# EAGLE board Mk4 Final a Panel score (EAGLE 9.0.1), part 14 of 24
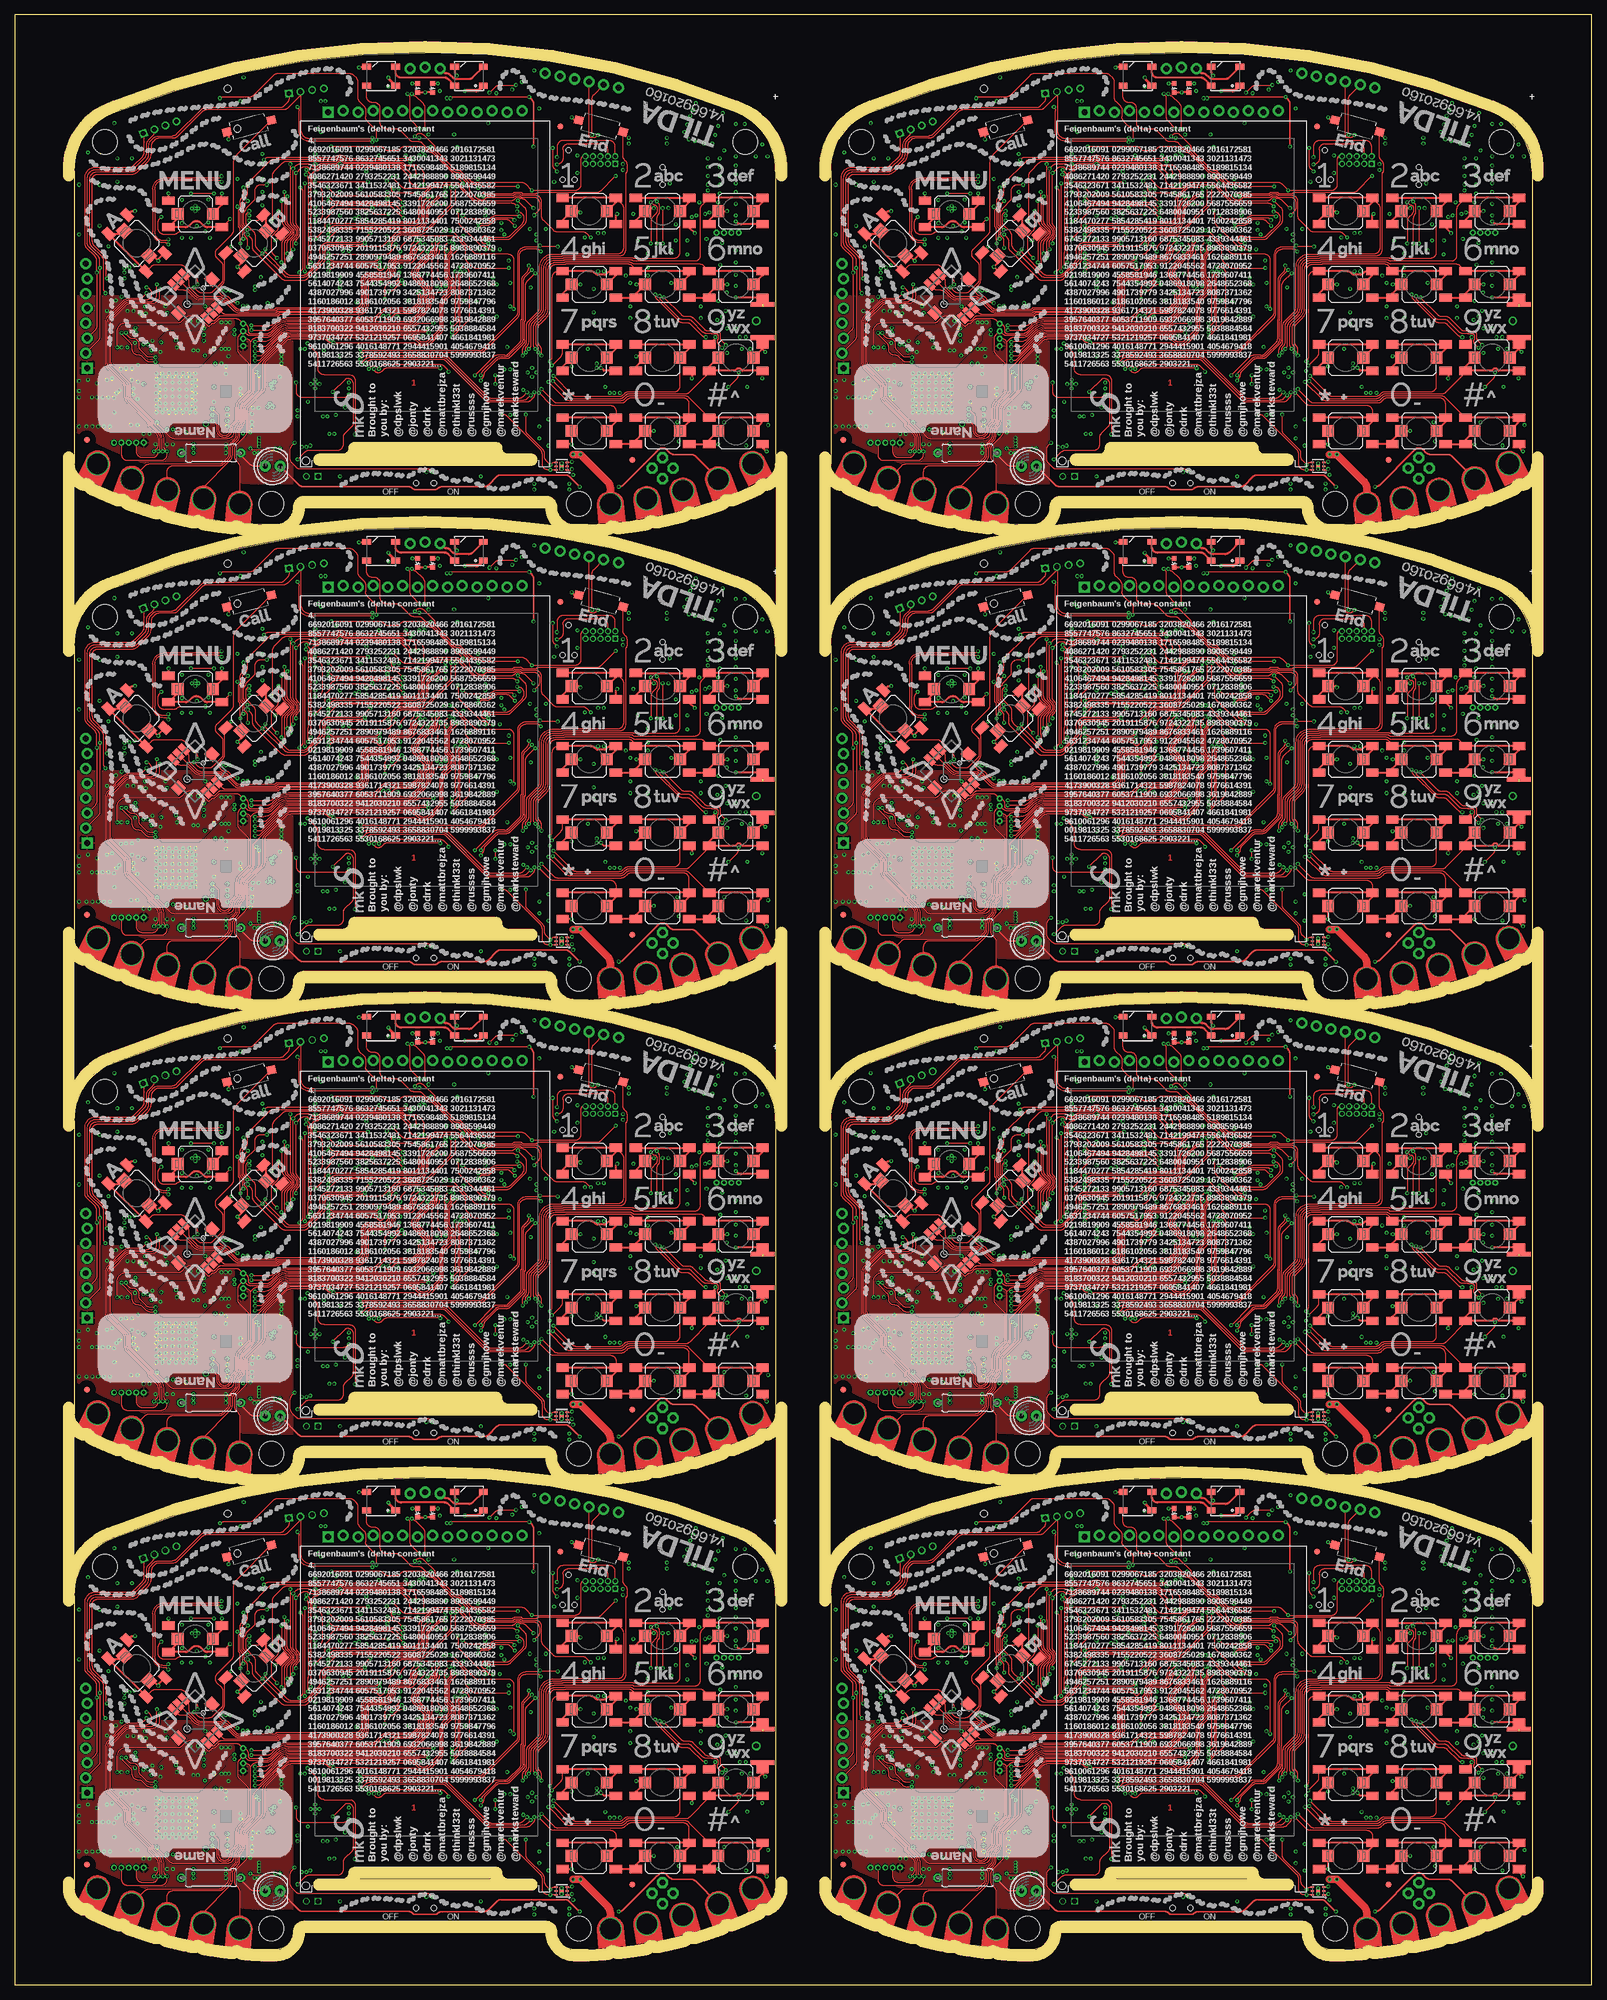
[diagram p0: board, top side]
## Tracks (layer width: path | path; a pad name or v marks a point on that pad's centre or on a via) (continued)
I2C5_EXT_SDA  (via drill 0.3) (continued)
  Bottom 0.2: IC1.120 78.92,56 arc-45 79.28,55.85 79.43,55.7 arc45 79.78,55.56 80.99,55.56 arc-45 81.34,55.41 R23.1 82.2,54.55 arc45 82.56,54.4 82.9,54.4 arc-90 83.4,53.9 83.4,53.21 arc-45 83.11,52.51 82.97,52.38 82.97,47.96 arc45 83.27,47.26 83.56,46.97 arc45 84.26,46.67 85.91,46.67 arc-45 86.62,46.38 92.66,40.34 arc-45 93.1,39.28 93.1,33.37 arc45 93.47,32.49 98.19,27.77 arc45 99.07,27.4 103.49,27.4 arc-45 104.19,27.11 107.56,23.75 arc-45 107.85,23.04 107.85,16.92 arc45 108.14,16.21 J11.4 110.09,15.65 arc-45 110.79,15.36 113.71,12.44 arc-45 PCB.SDA | JP6.7 v15.74,47.99 v15.75,48
  Bottom 0.3: J8.6 J8.2
I2C5_EXT_SDA1  (via drill 0.3)
  Top 0.2: v144.75,48 144.72,48.02 arc-45 144.5,48.57 144.5,51.24 arc45 144.21,51.94 142.49,53.66 arc-45 142.2,54.36 142.2,64.8 arc-90 143.2,65.8 148.88,65.8 arc45 150.11,66.31 151.79,67.99 arc45 152.3,69.22 152.3,70.64 arc-45 152.59,71.34 152.86,71.61 arc-45 153.56,71.9 155.93,71.9 arc45 156.82,72.27 161.01,76.46 arc-45 161.71,76.75 174.84,76.75 arc45 175.54,77.04 177.76,79.26 J18.2 177.76,79.24 177.9,79.1 177.9,73.3 arc90 179.4,71.8 189.8,71.8 v190,72
  3V3@2 0.15: v202.3,56.2 202.3,57.2 197.72,61.77 197.46,61.77 196.97,62.26 196.97,62.52 195.3,64.2 195.3,66.8 194.9,67.2 190.3,67.2 189.7,67.8 189.7,70.7 189.4,71 189.4,71.4 v190,72
  Bottom 0.15: IC20.120 205.92,56 arc-45 205.91,56 arc45 205.74,56.08 arc-45 205.03,56.37 204.72,56.68 arc45 204.01,56.98 203.49,56.98 arc45 202.78,56.68 v202.3,56.2
  Bottom 0.2: IC20.120 207.93,56 arc-45 208.28,55.85 208.43,55.7 arc45 208.78,55.56 209.99,55.56 arc-45 210.34,55.41 R105.1 211.2,54.55 arc45 211.56,54.4 211.9,54.4 arc-90 212.4,53.9 212.4,53.21 arc-45 212.11,52.51 211.97,52.38 211.97,47.96 arc45 212.27,47.26 212.56,46.97 arc45 213.26,46.67 214.91,46.67 arc-45 215.62,46.38 221.66,40.34 arc-45 222.1,39.28 222.1,33.37 arc45 222.47,32.49 227.19,27.77 arc45 228.07,27.4 232.49,27.4 arc-45 233.19,27.11 236.56,23.75 arc-45 236.85,23.04 236.85,16.92 arc45 237.14,16.21 J20.4 239.09,15.65 arc-45 239.79,15.36 242.71,12.44 arc-45 PCB1.SDA | JP17.7 v144.74,47.99 v144.75,48
  Bottom 0.3: J18.6 J18.2
I2C5_EXT_SDA2  (via drill 0.3)
  Top 0.2: v15.75,129 15.73,129.03 arc-45 15.5,129.57 15.5,132.24 arc45 15.21,132.94 13.49,134.66 arc-45 13.2,135.36 13.2,145.8 arc-90 14.2,146.8 19.88,146.8 arc45 21.11,147.31 22.79,148.99 arc45 23.3,150.22 23.3,151.64 arc-45 23.59,152.34 23.86,152.61 arc-45 24.56,152.9 26.93,152.9 arc45 27.82,153.27 32.01,157.46 arc-45 32.71,157.75 45.84,157.75 arc45 46.54,158.04 48.76,160.26 J28.2 48.76,160.24 48.9,160.1 48.9,154.3 arc90 50.4,152.8 60.8,152.8 v61,153
  3V3@2 0.15: v73.3,137.2 73.3,138.2 68.72,142.78 68.46,142.78 67.97,143.26 67.97,143.53 66.3,145.2 66.3,147.8 65.9,148.2 61.3,148.2 60.7,148.8 60.7,151.7 60.4,152 60.4,152.4 v61,153
  Bottom 0.15: IC38.120 76.92,137 arc-45 76.91,137 arc45 76.74,137.07 arc-45 76.03,137.37 75.72,137.68 arc45 75.01,137.97 74.49,137.97 arc45 73.78,137.68 v73.3,137.2
  Bottom 0.2: IC38.120 78.92,137 arc-45 79.28,136.85 79.43,136.7 arc45 79.78,136.56 80.99,136.56 arc-45 81.34,136.41 R183.1 82.2,135.55 arc45 82.56,135.4 82.9,135.4 arc-90 83.4,134.9 83.4,134.21 arc-45 83.11,133.51 82.97,133.38 82.97,128.96 arc45 83.27,128.25 83.56,127.97 arc45 84.26,127.67 85.91,127.67 arc-45 86.62,127.38 92.66,121.34 arc-45 93.1,120.28 93.1,114.37 arc45 93.47,113.49 98.19,108.77 arc45 99.07,108.4 103.49,108.4 arc-45 104.19,108.11 107.56,104.75 arc-45 107.85,104.04 107.85,97.92 arc45 108.14,97.21 J30.4 110.09,96.65 arc-45 110.79,96.36 113.71,93.44 arc-45 PCB2.SDA | JP26.7 v15.74,128.99 v15.75,129
  Bottom 0.3: J28.6 J28.2
I2C5_EXT_SDA3  (via drill 0.3)
  Top 0.2: v144.75,129 144.72,129.03 arc-45 144.5,129.57 144.5,132.24 arc45 144.21,132.94 142.49,134.66 arc-45 142.2,135.36 142.2,145.8 arc-90 143.2,146.8 148.88,146.8 arc45 150.11,147.31 151.79,148.99 arc45 152.3,150.22 152.3,151.64 arc-45 152.59,152.34 152.86,152.61 arc-45 153.56,152.9 155.93,152.9 arc45 156.82,153.27 161.01,157.46 arc-45 161.71,157.75 174.84,157.75 arc45 175.54,158.04 177.76,160.26 J38.2 177.76,160.24 177.9,160.1 177.9,154.3 arc90 179.4,152.8 189.8,152.8 v190,153
  3V3@2 0.15: v202.3,137.2 202.3,138.2 197.72,142.78 197.46,142.78 196.97,143.26 196.97,143.53 195.3,145.2 195.3,147.8 194.9,148.2 190.3,148.2 189.7,148.8 189.7,151.7 189.4,152 189.4,152.4 v190,153
  Bottom 0.15: IC56.120 205.92,137 arc-45 205.91,137 arc45 205.74,137.07 arc-45 205.03,137.37 204.72,137.68 arc45 204.01,137.97 203.49,137.97 arc45 202.78,137.68 v202.3,137.2
  Bottom 0.2: IC56.120 207.93,137 arc-45 208.28,136.85 208.43,136.7 arc45 208.78,136.56 209.99,136.56 arc-45 210.34,136.41 R261.1 211.2,135.55 arc45 211.56,135.4 211.9,135.4 arc-90 212.4,134.9 212.4,134.21 arc-45 212.11,133.51 211.97,133.38 211.97,128.96 arc45 212.27,128.25 212.56,127.97 arc45 213.26,127.67 214.91,127.67 arc-45 215.62,127.38 221.66,121.34 arc-45 222.1,120.28 222.1,114.37 arc45 222.47,113.49 227.19,108.77 arc45 228.07,108.4 232.49,108.4 arc-45 233.19,108.11 236.56,104.75 arc-45 236.85,104.04 236.85,97.92 arc45 237.14,97.21 J40.4 239.09,96.65 arc-45 239.79,96.36 242.71,93.44 arc-45 PCB3.SDA | JP35.7 v144.74,128.99 v144.75,129
  Bottom 0.3: J38.6 J38.2
I2C5_EXT_SDA4  (via drill 0.3)
  Top 0.2: v15.75,210 15.73,210.03 arc-45 15.5,210.57 15.5,213.24 arc45 15.21,213.94 13.49,215.66 arc-45 13.2,216.36 13.2,226.8 arc-90 14.2,227.8 19.88,227.8 arc45 21.11,228.31 22.79,229.99 arc45 23.3,231.22 23.3,232.64 arc-45 23.59,233.34 23.86,233.61 arc-45 24.56,233.9 26.93,233.9 arc45 27.82,234.27 32.01,238.46 arc-45 32.71,238.75 45.84,238.75 arc45 46.54,239.04 48.76,241.26 J48.2 48.76,241.24 48.9,241.1 48.9,235.3 arc90 50.4,233.8 60.8,233.8 v61,234
  3V3@2 0.15: v73.3,218.2 73.3,219.2 68.72,223.78 68.46,223.78 67.97,224.26 67.97,224.53 66.3,226.2 66.3,228.8 65.9,229.2 61.3,229.2 60.7,229.8 60.7,232.7 60.4,233 60.4,233.4 v61,234
  Bottom 0.15: IC74.120 76.92,218 arc-45 76.91,218 arc45 76.74,218.07 arc-45 76.03,218.37 75.72,218.68 arc45 75.01,218.97 74.49,218.97 arc45 73.78,218.68 v73.3,218.2
  Bottom 0.2: IC74.120 78.92,218 arc-45 79.28,217.85 79.43,217.7 arc45 79.78,217.56 80.99,217.56 arc-45 81.34,217.41 R339.1 82.2,216.55 arc45 82.56,216.4 82.9,216.4 arc-90 83.4,215.9 83.4,215.21 arc-45 83.11,214.51 82.97,214.38 82.97,209.96 arc45 83.27,209.25 83.56,208.97 arc45 84.26,208.68 85.91,208.68 arc-45 86.62,208.38 92.66,202.34 arc-45 93.1,201.28 93.1,195.37 arc45 93.47,194.49 98.19,189.77 arc45 99.07,189.4 103.49,189.4 arc-45 104.19,189.11 107.56,185.75 arc-45 107.85,185.04 107.85,178.92 arc45 108.14,178.21 J50.4 110.09,177.65 arc-45 110.79,177.36 113.71,174.44 arc-45 PCB4.SDA | JP44.7 v15.74,209.99 v15.75,210
  Bottom 0.3: J48.6 J48.2
I2C5_EXT_SDA5  (via drill 0.3)
  Top 0.2: v144.75,210 144.72,210.03 arc-45 144.5,210.57 144.5,213.24 arc45 144.21,213.94 142.49,215.66 arc-45 142.2,216.36 142.2,226.8 arc-90 143.2,227.8 148.88,227.8 arc45 150.11,228.31 151.79,229.99 arc45 152.3,231.22 152.3,232.64 arc-45 152.59,233.34 152.86,233.61 arc-45 153.56,233.9 155.93,233.9 arc45 156.82,234.27 161.01,238.46 arc-45 161.71,238.75 174.84,238.75 arc45 175.54,239.04 177.76,241.26 J58.2 177.76,241.24 177.9,241.1 177.9,235.3 arc90 179.4,233.8 189.8,233.8 v190,234
  3V3@2 0.15: v202.3,218.2 202.3,219.2 197.72,223.78 197.46,223.78 196.97,224.26 196.97,224.53 195.3,226.2 195.3,228.8 194.9,229.2 190.3,229.2 189.7,229.8 189.7,232.7 189.4,233 189.4,233.4 v190,234
  Bottom 0.15: IC92.120 205.92,218 arc-45 205.91,218 arc45 205.74,218.07 arc-45 205.03,218.37 204.72,218.68 arc45 204.01,218.97 203.49,218.97 arc45 202.78,218.68 v202.3,218.2
  Bottom 0.2: IC92.120 207.93,218 arc-45 208.28,217.85 208.43,217.7 arc45 208.78,217.56 209.99,217.56 arc-45 210.34,217.41 R417.1 211.2,216.55 arc45 211.56,216.4 211.9,216.4 arc-90 212.4,215.9 212.4,215.21 arc-45 212.11,214.51 211.97,214.38 211.97,209.96 arc45 212.27,209.25 212.56,208.97 arc45 213.26,208.68 214.91,208.68 arc-45 215.62,208.38 221.66,202.34 arc-45 222.1,201.28 222.1,195.37 arc45 222.47,194.49 227.19,189.77 arc45 228.07,189.4 232.49,189.4 arc-45 233.19,189.11 236.56,185.75 arc-45 236.85,185.04 236.85,178.92 arc45 237.14,178.21 J60.4 239.09,177.65 arc-45 239.79,177.36 242.71,174.44 arc-45 PCB5.SDA | JP53.7 v144.74,209.99 v144.75,210
  Bottom 0.3: J58.6 J58.2
I2C5_EXT_SDA6  (via drill 0.3)
  Top 0.2: v15.75,291 15.73,291.02 arc-45 15.5,291.57 15.5,294.24 arc45 15.21,294.94 13.49,296.66 arc-45 13.2,297.36 13.2,307.8 arc-90 14.2,308.8 19.88,308.8 arc45 21.11,309.31 22.79,310.99 arc45 23.3,312.23 23.3,313.64 arc-45 23.59,314.34 23.86,314.61 arc-45 24.56,314.9 26.93,314.9 arc45 27.82,315.27 32.01,319.46 arc-45 32.71,319.75 45.84,319.75 arc45 46.54,320.04 48.76,322.26 J68.2 48.76,322.24 48.9,322.1 48.9,316.3 arc90 50.4,314.8 60.8,314.8 v61,315
  3V3@2 0.15: v73.3,299.2 73.3,300.2 68.72,304.77 68.46,304.77 67.97,305.26 67.97,305.52 66.3,307.2 66.3,309.8 65.9,310.2 61.3,310.2 60.7,310.8 60.7,313.7 60.4,314 60.4,314.4 v61,315
  Bottom 0.15: IC110.120 76.92,299 arc-45 76.91,299 arc45 76.74,299.07 arc-45 76.03,299.37 75.72,299.68 arc45 75.01,299.98 74.49,299.98 arc45 73.78,299.68 v73.3,299.2
  Bottom 0.2: IC110.120 78.92,299 arc-45 79.28,298.85 79.43,298.7 arc45 79.78,298.56 80.99,298.56 arc-45 81.34,298.41 R495.1 82.2,297.55 arc45 82.56,297.4 82.9,297.4 arc-90 83.4,296.9 83.4,296.21 arc-45 83.11,295.51 82.97,295.38 82.97,290.96 arc45 83.27,290.25 83.56,289.97 arc45 84.26,289.68 85.91,289.68 arc-45 86.62,289.38 92.66,283.34 arc-45 93.1,282.28 93.1,276.37 arc45 93.47,275.49 98.19,270.77 arc45 99.07,270.4 103.49,270.4 arc-45 104.19,270.11 107.56,266.75 arc-45 107.85,266.04 107.85,259.92 arc45 108.14,259.21 J70.4 110.09,258.65 arc-45 110.79,258.36 113.71,255.44 arc-45 PCB6.SDA | JP62.7 v15.74,290.99 v15.75,291
  Bottom 0.3: J68.6 J68.2
I2C5_EXT_SDA7  (via drill 0.3)
  Top 0.2: v144.75,291 144.72,291.02 arc-45 144.5,291.57 144.5,294.24 arc45 144.21,294.94 142.49,296.66 arc-45 142.2,297.36 142.2,307.8 arc-90 143.2,308.8 148.88,308.8 arc45 150.11,309.31 151.79,310.99 arc45 152.3,312.23 152.3,313.64 arc-45 152.59,314.34 152.86,314.61 arc-45 153.56,314.9 155.93,314.9 arc45 156.82,315.27 161.01,319.46 arc-45 161.71,319.75 174.84,319.75 arc45 175.54,320.04 177.76,322.26 J78.2 177.76,322.24 177.9,322.1 177.9,316.3 arc90 179.4,314.8 189.8,314.8 v190,315
  3V3@2 0.15: v202.3,299.2 202.3,300.2 197.72,304.77 197.46,304.77 196.97,305.26 196.97,305.52 195.3,307.2 195.3,309.8 194.9,310.2 190.3,310.2 189.7,310.8 189.7,313.7 189.4,314 189.4,314.4 v190,315
  Bottom 0.15: IC128.120 205.92,299 arc-45 205.91,299 arc45 205.74,299.07 arc-45 205.03,299.37 204.72,299.68 arc45 204.01,299.98 203.49,299.98 arc45 202.78,299.68 v202.3,299.2
  Bottom 0.2: IC128.120 207.93,299 arc-45 208.28,298.85 208.43,298.7 arc45 208.78,298.56 209.99,298.56 arc-45 210.34,298.41 R573.1 211.2,297.55 arc45 211.56,297.4 211.9,297.4 arc-90 212.4,296.9 212.4,296.21 arc-45 212.11,295.51 211.97,295.38 211.97,290.96 arc45 212.27,290.25 212.56,289.97 arc45 213.26,289.68 214.91,289.68 arc-45 215.62,289.38 221.66,283.34 arc-45 222.1,282.28 222.1,276.37 arc45 222.47,275.49 227.19,270.77 arc45 228.07,270.4 232.49,270.4 arc-45 233.19,270.11 236.56,266.75 arc-45 236.85,266.04 236.85,259.92 arc45 237.14,259.21 J80.4 239.09,258.65 arc-45 239.79,258.36 242.71,255.44 arc-45 PCB7.SDA | JP71.7 v144.74,290.99 v144.75,291
  Bottom 0.3: J78.6 J78.2
JOY_CEN  (via drill 0.3)
  Top 0.15: SW1.CTR 30.77,45.02 arc45 31.66,44.66 34.79,44.66 arc-45 35.15,44.51 35.16,44.5 arc45 35.52,44.35 35.78,44.35 arc-45 36.13,44.2 37.49,42.84 arc45 38.38,42.48 44.44,42.48 arc45 44.61,42.55 44.74,42.68 arc-45 44.92,42.75 58.28,42.75 arc90 59.45,43.92 59.45,47.59 arc-90 60.56,48.7 62.85,48.7 arc90 64.1,49.95 64.1,50.35 arc-90 65.35,51.6 66.92,51.6 arc45 67.27,51.75 67.75,52.23 arc45 67.9,52.58 67.9,53.09 arc-45 68.05,53.45 v69.2,54.6
  Bottom 0.15: v69.2,54.6 68.99,54.81 arc-45 68.7,55.51 68.7,60.09 arc45 68.41,60.79 66.89,62.31 arc-45 66.6,63.01 IC1.72
JOY_CEN1  (via drill 0.3)
  Top 0.15: SW2.CTR 159.78,45.02 arc45 160.66,44.66 163.79,44.66 arc-45 164.15,44.51 164.16,44.5 arc45 164.52,44.35 164.78,44.35 arc-45 165.13,44.2 166.49,42.84 arc45 167.38,42.48 173.44,42.48 arc45 173.62,42.55 173.74,42.68 arc-45 173.92,42.75 187.28,42.75 arc90 188.45,43.92 188.45,47.59 arc-90 189.56,48.7 191.85,48.7 arc90 193.1,49.95 193.1,50.35 arc-90 194.35,51.6 195.92,51.6 arc45 196.27,51.75 196.75,52.23 arc45 196.9,52.58 196.9,53.09 arc-45 197.05,53.45 v198.2,54.6
  Bottom 0.15: v198.2,54.6 197.99,54.81 arc-45 197.7,55.51 197.7,60.09 arc45 197.41,60.79 195.89,62.31 arc-45 195.6,63.01 IC20.72
JOY_CEN2  (via drill 0.3)
  Top 0.15: SW3.CTR 30.77,126.03 arc45 31.66,125.66 34.79,125.66 arc-45 35.15,125.51 35.16,125.5 arc45 35.52,125.35 35.78,125.35 arc-45 36.13,125.2 37.49,123.84 arc45 38.38,123.47 44.44,123.47 arc45 44.61,123.55 44.74,123.68 arc-45 44.92,123.75 58.28,123.75 arc90 59.45,124.92 59.45,128.59 arc-90 60.56,129.7 62.85,129.7 arc90 64.1,130.95 64.1,131.35 arc-90 65.35,132.6 66.92,132.6 arc45 67.27,132.75 67.75,133.23 arc45 67.9,133.58 67.9,134.09 arc-45 68.05,134.45 v69.2,135.6
  Bottom 0.15: v69.2,135.6 68.99,135.81 arc-45 68.7,136.51 68.7,141.09 arc45 68.41,141.79 66.89,143.31 arc-45 66.6,144.01 IC38.72
JOY_CEN3  (via drill 0.3)
  Top 0.15: SW4.CTR 159.78,126.03 arc45 160.66,125.66 163.79,125.66 arc-45 164.15,125.51 164.16,125.5 arc45 164.52,125.35 164.78,125.35 arc-45 165.13,125.2 166.49,123.84 arc45 167.38,123.47 173.44,123.47 arc45 173.62,123.55 173.74,123.68 arc-45 173.92,123.75 187.28,123.75 arc90 188.45,124.92 188.45,128.59 arc-90 189.56,129.7 191.85,129.7 arc90 193.1,130.95 193.1,131.35 arc-90 194.35,132.6 195.92,132.6 arc45 196.27,132.75 196.75,133.23 arc45 196.9,133.58 196.9,134.09 arc-45 197.05,134.45 v198.2,135.6
  Bottom 0.15: v198.2,135.6 197.99,135.81 arc-45 197.7,136.51 197.7,141.09 arc45 197.41,141.79 195.89,143.31 arc-45 195.6,144.01 IC56.72
JOY_CEN4  (via drill 0.3)
  Top 0.15: SW5.CTR 30.77,207.03 arc45 31.66,206.66 34.79,206.66 arc-45 35.15,206.51 35.16,206.5 arc45 35.52,206.35 35.78,206.35 arc-45 36.13,206.2 37.49,204.84 arc45 38.38,204.47 44.44,204.47 arc45 44.61,204.55 44.74,204.68 arc-45 44.92,204.75 58.28,204.75 arc90 59.45,205.92 59.45,209.59 arc-90 60.56,210.7 62.85,210.7 arc90 64.1,211.95 64.1,212.35 arc-90 65.35,213.6 66.92,213.6 arc45 67.27,213.75 67.75,214.23 arc45 67.9,214.58 67.9,215.09 arc-45 68.05,215.45 v69.2,216.6
  Bottom 0.15: v69.2,216.6 68.99,216.81 arc-45 68.7,217.51 68.7,222.09 arc45 68.41,222.79 66.89,224.31 arc-45 66.6,225.01 IC74.72
JOY_CEN5  (via drill 0.3)
  Top 0.15: SW6.CTR 159.78,207.03 arc45 160.66,206.66 163.79,206.66 arc-45 164.15,206.51 164.16,206.5 arc45 164.52,206.35 164.78,206.35 arc-45 165.13,206.2 166.49,204.84 arc45 167.38,204.47 173.44,204.47 arc45 173.62,204.55 173.74,204.68 arc-45 173.92,204.75 187.28,204.75 arc90 188.45,205.92 188.45,209.59 arc-90 189.56,210.7 191.85,210.7 arc90 193.1,211.95 193.1,212.35 arc-90 194.35,213.6 195.92,213.6 arc45 196.27,213.75 196.75,214.23 arc45 196.9,214.58 196.9,215.09 arc-45 197.05,215.45 v198.2,216.6
  Bottom 0.15: v198.2,216.6 197.99,216.81 arc-45 197.7,217.51 197.7,222.09 arc45 197.41,222.79 195.89,224.31 arc-45 195.6,225.01 IC92.72
JOY_CEN6  (via drill 0.3)
  Top 0.15: SW7.CTR 30.77,288.02 arc45 31.66,287.66 34.79,287.66 arc-45 35.15,287.51 35.16,287.5 arc45 35.52,287.35 35.78,287.35 arc-45 36.13,287.2 37.49,285.84 arc45 38.38,285.48 44.44,285.48 arc45 44.61,285.55 44.74,285.68 arc-45 44.92,285.75 58.28,285.75 arc90 59.45,286.92 59.45,290.59 arc-90 60.56,291.7 62.85,291.7 arc90 64.1,292.95 64.1,293.35 arc-90 65.35,294.6 66.92,294.6 arc45 67.27,294.75 67.75,295.23 arc45 67.9,295.58 67.9,296.09 arc-45 68.05,296.45 v69.2,297.6
  Bottom 0.15: v69.2,297.6 68.99,297.81 arc-45 68.7,298.51 68.7,303.09 arc45 68.41,303.79 66.89,305.31 arc-45 66.6,306.01 IC110.72
JOY_CEN7  (via drill 0.3)
  Top 0.15: SW8.CTR 159.78,288.02 arc45 160.66,287.66 163.79,287.66 arc-45 164.15,287.51 164.16,287.5 arc45 164.52,287.35 164.78,287.35 arc-45 165.13,287.2 166.49,285.84 arc45 167.38,285.48 173.44,285.48 arc45 173.62,285.55 173.74,285.68 arc-45 173.92,285.75 187.28,285.75 arc90 188.45,286.92 188.45,290.59 arc-90 189.56,291.7 191.85,291.7 arc90 193.1,292.95 193.1,293.35 arc-90 194.35,294.6 195.92,294.6 arc45 196.27,294.75 196.75,295.23 arc45 196.9,295.58 196.9,296.09 arc-45 197.05,296.45 v198.2,297.6
  Bottom 0.15: v198.2,297.6 197.99,297.81 arc-45 197.7,298.51 197.7,303.09 arc45 197.41,303.79 195.89,305.31 arc-45 195.6,306.01 IC128.72
JOY_DOWN  (via drill 0.3)
  Top 0.15: v70,53.8 70,53.41 arc-45 69.71,52.71 67.85,50.85 arc-45 67.49,50.7 65.5,50.7 arc90 65,50.2 65,49.8 arc-90 63,47.8 60.95,47.8 arc90 60.35,47.2 60.35,43.52 arc-90 58.67,41.85 45.29,41.85 arc45 45.12,41.78 44.99,41.65 arc-45 44.81,41.58 35.08,41.58 arc45 34.73,41.43 34.15,40.85 arc-45 33.79,40.7 33.3,40.7 SW1.D
  Bottom 0.15: v70,53.8 70.1,53.9 70.1,54.61 arc45 69.81,55.32 69.59,55.53 arc-45 69.3,56.24 69.3,60.69 arc45 69.01,61.39 67.69,62.71 arc-45 67.4,63.41 IC1.74
JOY_DOWN1  (via drill 0.3)
  Top 0.15: v199,53.8 199,53.41 arc-45 198.71,52.71 196.85,50.85 arc-45 196.49,50.7 194.5,50.7 arc90 194,50.2 194,49.8 arc-90 192,47.8 189.94,47.8 arc90 189.35,47.2 189.35,43.52 arc-90 187.68,41.85 174.29,41.85 arc45 174.12,41.78 173.99,41.65 arc-45 173.81,41.58 164.08,41.58 arc45 163.73,41.43 163.15,40.85 arc-45 162.79,40.7 162.3,40.7 SW2.D
  Bottom 0.15: v199,53.8 199.1,53.9 199.1,54.61 arc45 198.81,55.32 198.59,55.53 arc-45 198.3,56.24 198.3,60.69 arc45 198.01,61.39 196.69,62.71 arc-45 196.4,63.41 IC20.74
JOY_DOWN2  (via drill 0.3)
  Top 0.15: v70,134.8 70,134.41 arc-45 69.71,133.71 67.85,131.85 arc-45 67.49,131.7 65.5,131.7 arc90 65,131.2 65,130.8 arc-90 63,128.8 60.95,128.8 arc90 60.35,128.2 60.35,124.53 arc-90 58.67,122.85 45.29,122.85 arc45 45.12,122.78 44.99,122.65 arc-45 44.81,122.58 35.08,122.58 arc45 34.73,122.43 34.15,121.85 arc-45 33.79,121.7 33.3,121.7 SW3.D
  Bottom 0.15: v70,134.8 70.1,134.9 70.1,135.61 arc45 69.81,136.32 69.59,136.53 arc-45 69.3,137.24 69.3,141.69 arc45 69.01,142.39 67.69,143.71 arc-45 67.4,144.41 IC38.74
JOY_DOWN3  (via drill 0.3)
  Top 0.15: v199,134.8 199,134.41 arc-45 198.71,133.71 196.85,131.85 arc-45 196.49,131.7 194.5,131.7 arc90 194,131.2 194,130.8 arc-90 192,128.8 189.94,128.8 arc90 189.35,128.2 189.35,124.53 arc-90 187.68,122.85 174.29,122.85 arc45 174.12,122.78 173.99,122.65 arc-45 173.81,122.58 164.08,122.58 arc45 163.73,122.43 163.15,121.85 arc-45 162.79,121.7 162.3,121.7 SW4.D
  Bottom 0.15: v199,134.8 199.1,134.9 199.1,135.61 arc45 198.81,136.32 198.59,136.53 arc-45 198.3,137.24 198.3,141.69 arc45 198.01,142.39 196.69,143.71 arc-45 196.4,144.41 IC56.74
JOY_DOWN4  (via drill 0.3)
  Top 0.15: v70,215.8 70,215.41 arc-45 69.71,214.71 67.85,212.85 arc-45 67.49,212.7 65.5,212.7 arc90 65,212.2 65,211.8 arc-90 63,209.8 60.95,209.8 arc90 60.35,209.21 60.35,205.53 arc-90 58.67,203.85 45.29,203.85 arc45 45.12,203.78 44.99,203.65 arc-45 44.81,203.57 35.08,203.57 arc45 34.73,203.43 34.15,202.85 arc-45 33.79,202.7 33.3,202.7 SW5.D
  Bottom 0.15: v70,215.8 70.1,215.9 70.1,216.61 arc45 69.81,217.32 69.59,217.53 arc-45 69.3,218.24 69.3,222.69 arc45 69.01,223.39 67.69,224.71 arc-45 67.4,225.41 IC74.74
JOY_DOWN5  (via drill 0.3)
  Top 0.15: v199,215.8 199,215.41 arc-45 198.71,214.71 196.85,212.85 arc-45 196.49,212.7 194.5,212.7 arc90 194,212.2 194,211.8 arc-90 192,209.8 189.94,209.8 arc90 189.35,209.21 189.35,205.53 arc-90 187.68,203.85 174.29,203.85 arc45 174.12,203.78 173.99,203.65 arc-45 173.81,203.57 164.08,203.57 arc45 163.73,203.43 163.15,202.85 arc-45 162.79,202.7 162.3,202.7 SW6.D
  Bottom 0.15: v199,215.8 199.1,215.9 199.1,216.61 arc45 198.81,217.32 198.59,217.53 arc-45 198.3,218.24 198.3,222.69 arc45 198.01,223.39 196.69,224.71 arc-45 196.4,225.41 IC92.74
JOY_DOWN6  (via drill 0.3)
  Top 0.15: v70,296.8 70,296.41 arc-45 69.71,295.71 67.85,293.85 arc-45 67.49,293.7 65.5,293.7 arc90 65,293.2 65,292.8 arc-90 63,290.8 60.95,290.8 arc90 60.35,290.2 60.35,286.52 arc-90 58.67,284.85 45.29,284.85 arc45 45.12,284.78 44.99,284.65 arc-45 44.81,284.57 35.08,284.57 arc45 34.73,284.43 34.15,283.85 arc-45 33.79,283.7 33.3,283.7 SW7.D
  Bottom 0.15: v70,296.8 70.1,296.9 70.1,297.61 arc45 69.81,298.32 69.59,298.53 arc-45 69.3,299.24 69.3,303.69 arc45 69.01,304.39 67.69,305.71 arc-45 67.4,306.41 IC110.74
JOY_DOWN7  (via drill 0.3)
  Top 0.15: v199,296.8 199,296.41 arc-45 198.71,295.71 196.85,293.85 arc-45 196.49,293.7 194.5,293.7 arc90 194,293.2 194,292.8 arc-90 192,290.8 189.94,290.8 arc90 189.35,290.2 189.35,286.52 arc-90 187.68,284.85 174.29,284.85 arc45 174.12,284.78 173.99,284.65 arc-45 173.81,284.57 164.08,284.57 arc45 163.73,284.43 163.15,283.85 arc-45 162.79,283.7 162.3,283.7 SW8.D
  Bottom 0.15: v199,296.8 199.1,296.9 199.1,297.61 arc45 198.81,298.32 198.59,298.53 arc-45 198.3,299.24 198.3,303.69 arc45 198.01,304.39 196.69,305.71 arc-45 196.4,306.41 IC128.74
JOY_LEFT  (via drill 0.3)
  Top 0.15: SW1.C 27.65,46.35 arc45 28.35,46.06 28.86,46.06 arc-45 29.56,45.76 30.53,44.8 arc45 31.59,44.36 34.67,44.36 arc-45 35.02,44.21 35.04,44.2 arc45 35.39,44.05 35.65,44.05 arc-45 36.01,43.9 37.3,42.61 arc45 38.36,42.17 44.44,42.17 arc45 44.83,42.34 44.87,42.38 arc-45 45.05,42.45 58.39,42.45 arc90 59.75,43.81 59.75,47.46 arc-90 60.69,48.4 62.9,48.4 arc90 64.4,49.9 64.4,50.3 arc-90 65.4,51.3 67.04,51.3 arc45 67.39,51.45 68.05,52.1 arc45 68.2,52.46 68.2,52.59 arc-45 68.35,52.95 v69.2,53.8
  Bottom 0.15: IC1.73 67,63.21 arc45 67.29,62.51 68.71,61.09 arc-45 69,60.39 69,56.11 arc45 69.29,55.41 69.51,55.19 arc-45 69.8,54.49 arc-45 69.74,54.34 v69.2,53.8
JOY_LEFT1  (via drill 0.3)
  Top 0.15: SW2.C 156.65,46.35 arc45 157.36,46.06 157.86,46.06 arc-45 158.56,45.76 159.53,44.8 arc45 160.59,44.36 163.67,44.36 arc-45 164.02,44.21 164.04,44.2 arc45 164.39,44.05 164.65,44.05 arc-45 165,43.9 166.3,42.61 arc45 167.36,42.17 173.44,42.17 arc45 173.83,42.34 173.87,42.38 arc-45 174.05,42.45 187.39,42.45 arc90 188.75,43.81 188.75,47.46 arc-90 189.69,48.4 191.9,48.4 arc90 193.4,49.9 193.4,50.3 arc-90 194.4,51.3 196.04,51.3 arc45 196.39,51.45 197.05,52.1 arc45 197.2,52.46 197.2,52.59 arc-45 197.35,52.95 v198.2,53.8
  Bottom 0.15: IC20.73 196,63.21 arc45 196.29,62.51 197.71,61.09 arc-45 198,60.39 198,56.11 arc45 198.29,55.41 198.51,55.19 arc-45 198.8,54.49 arc-45 198.74,54.34 v198.2,53.8
JOY_LEFT2  (via drill 0.3)
  Top 0.15: SW3.C 27.65,127.35 arc45 28.35,127.06 28.86,127.06 arc-45 29.56,126.76 30.53,125.8 arc45 31.59,125.36 34.67,125.36 arc-45 35.02,125.21 35.04,125.2 arc45 35.39,125.05 35.65,125.05 arc-45 36.01,124.9 37.3,123.61 arc45 38.36,123.17 44.44,123.17 arc45 44.83,123.34 44.87,123.38 arc-45 45.05,123.45 58.39,123.45 arc90 59.75,124.81 59.75,128.46 arc-90 60.69,129.4 62.9,129.4 arc90 64.4,130.9 64.4,131.3 arc-90 65.4,132.3 67.04,132.3 arc45 67.39,132.45 68.05,133.11 arc45 68.2,133.46 68.2,133.59 arc-45 68.35,133.95 v69.2,134.8
  Bottom 0.15: IC38.73 67,144.21 arc45 67.29,143.51 68.71,142.09 arc-45 69,141.39 69,137.11 arc45 69.29,136.41 69.51,136.19 arc-45 69.8,135.49 arc-45 69.74,135.34 v69.2,134.8
JOY_LEFT3  (via drill 0.3)
  Top 0.15: SW4.C 156.65,127.35 arc45 157.36,127.06 157.86,127.06 arc-45 158.56,126.76 159.53,125.8 arc45 160.59,125.36 163.67,125.36 arc-45 164.02,125.21 164.04,125.2 arc45 164.39,125.05 164.65,125.05 arc-45 165,124.9 166.3,123.61 arc45 167.36,123.17 173.44,123.17 arc45 173.83,123.34 173.87,123.38 arc-45 174.05,123.45 187.39,123.45 arc90 188.75,124.81 188.75,128.46 arc-90 189.69,129.4 191.9,129.4 arc90 193.4,130.9 193.4,131.3 arc-90 194.4,132.3 196.04,132.3 arc45 196.39,132.45 197.05,133.11 arc45 197.2,133.46 197.2,133.59 arc-45 197.35,133.95 v198.2,134.8
  Bottom 0.15: IC56.73 196,144.21 arc45 196.29,143.51 197.71,142.09 arc-45 198,141.39 198,137.11 arc45 198.29,136.41 198.51,136.19 arc-45 198.8,135.49 arc-45 198.74,135.34 v198.2,134.8
JOY_LEFT4  (via drill 0.3)
  Top 0.15: SW5.C 27.65,208.35 arc45 28.35,208.06 28.86,208.06 arc-45 29.56,207.76 30.53,206.8 arc45 31.59,206.36 34.67,206.36 arc-45 35.02,206.21 35.04,206.2 arc45 35.39,206.05 35.65,206.05 arc-45 36.01,205.9 37.3,204.61 arc45 38.36,204.18 44.44,204.18 arc45 44.83,204.34 44.87,204.38 arc-45 45.05,204.45 58.39,204.45 arc90 59.75,205.81 59.75,209.46 arc-90 60.69,210.4 62.9,210.4 arc90 64.4,211.9 64.4,212.3 arc-90 65.4,213.3 67.04,213.3 arc45 67.39,213.45 68.05,214.1 arc45 68.2,214.46 68.2,214.59 arc-45 68.35,214.95 v69.2,215.8
  Bottom 0.15: IC74.73 67,225.21 arc45 67.29,224.51 68.71,223.09 arc-45 69,222.39 69,218.11 arc45 69.29,217.41 69.51,217.19 arc-45 69.8,216.49 arc-45 69.74,216.34 v69.2,215.8
JOY_LEFT5  (via drill 0.3)
  Top 0.15: SW6.C 156.65,208.35 arc45 157.36,208.06 157.86,208.06 arc-45 158.56,207.76 159.53,206.8 arc45 160.59,206.36 163.67,206.36 arc-45 164.02,206.21 164.04,206.2 arc45 164.39,206.05 164.65,206.05 arc-45 165,205.9 166.3,204.61 arc45 167.36,204.18 173.44,204.18 arc45 173.83,204.34 173.87,204.38 arc-45 174.05,204.45 187.39,204.45 arc90 188.75,205.81 188.75,209.46 arc-90 189.69,210.4 191.9,210.4 arc90 193.4,211.9 193.4,212.3 arc-90 194.4,213.3 196.04,213.3 arc45 196.39,213.45 197.05,214.1 arc45 197.2,214.46 197.2,214.59 arc-45 197.35,214.95 v198.2,215.8